# Altium PCB Computer_Board.PcbDoc (part 4 of 5) (continued)
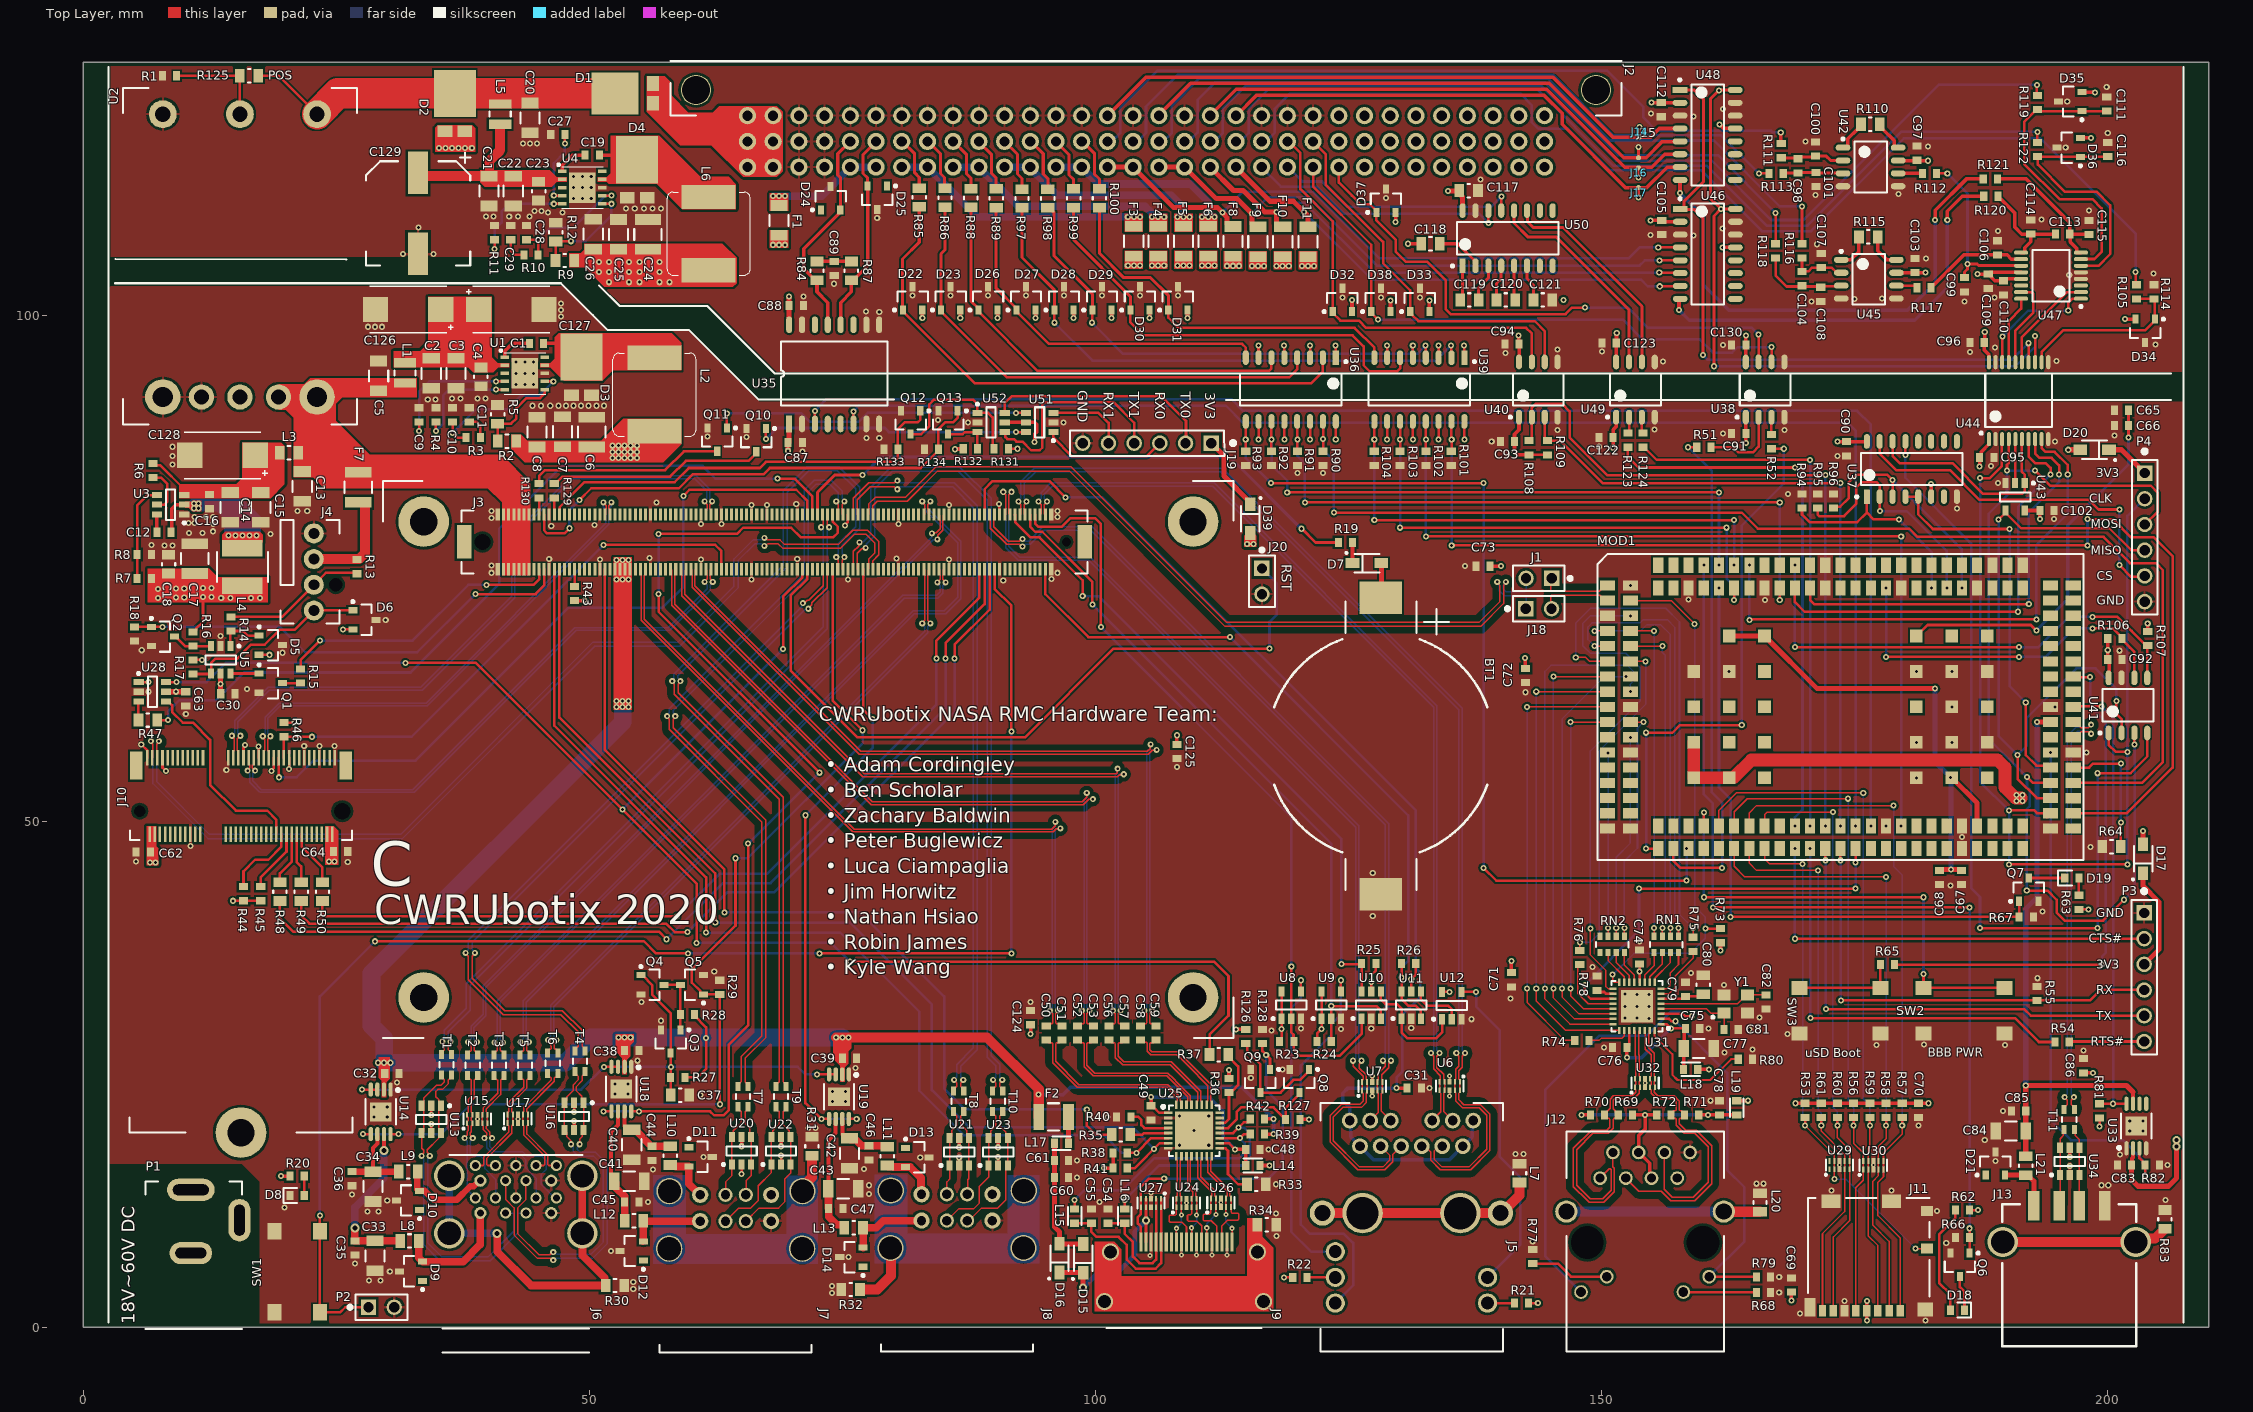
[diagram p0: Top Layer view]
## Nets (pads, with @x,y where several pads share a name; then routed paths per layer and width w, separated by ;. In a path a pad name is that pad's centre, name@x,y a point inside that pad or via, vN(x,y) a via of type N, cw(c..) or ccw(c..) an arc to the next point about the centre after c; other vN are vias at no path point) (continued)
OVER_TEMP: MOD1.134 R107.2 U41.5 | length 48.6
  Top Layer w0.25: v1(169.1,67.2) v1(191.25,67.2) ; v1(198.5,70.2) 200.95,70.2 202.35,68.8 203.575,67.575 203.725,67.575 R107.2@203.95,67.35 203.905,67.305 U41.5@203.905,64.175
  Bottom Layer w0.25: v1(169.1,67.2) v1(169.1,75.3) ; v1(191.25,67.2) 193.15,67.2 196.15,70.2 v1(198.5,70.2)
PCIE_CLK_N: J3.A88 J10.49 | length 49.4
  Top Layer w0.14: J10.49@18.35,56.275 18.35,56.925 18.245,57.03 18.245,58.088 18.5,58.343 v3(18.5,58.4) ; J3.A88@52.05,80.3 51.97,80.38 51.97,80.882 51.94,80.912 51.94,81.188 52.2,81.448 v3(52.2,81.5)
  Bottom Layer w0.14: v3(18.5,58.4) 18.5,58.477 18.265,58.712 18.265,60.165 19.5,61.4 34,61.4 51.92,79.32 51.92,80.869 52.155,81.104 52.155,81.455 v3(52.2,81.5)
PCIE_CLK_P: J3.A89 J10.47 | length 49.3
  Top Layer w0.14: v3(17.75,58.4) 17.75,58.298 17.96,58.088 17.96,57.035 17.85,56.925 J10.47@17.85,56.275 ; v3(51.4,81.5) 51.4,81.448 51.66,81.188 51.66,80.912 51.63,80.882 51.63,80.38 J3.A89@51.55,80.3
  Bottom Layer w0.14: v3(17.75,58.4) 17.75,58.477 17.985,58.712 17.985,60.281 19.384,61.68 33.884,61.68 51.64,79.436 51.64,80.842 51.41,81.072 51.41,81.49 v3(51.4,81.5)
PCIE_CLKREQ0#: J3.A49 J10.53 | length 73
  Top Layer w0.25: v1(19.35,54.35) J10.53@19.35,56.275 ; v1(59.3,82.15) 59.9,82.75 70.45,82.75 71.55,81.65 J3.A49@71.55,80.3
  Bottom Layer w0.25: v1(19.35,54.35) 21.1,54.35 22.75,56 32.85,56 47.95,71.1 57.25,71.1 59.3,73.15 v1(59.3,82.15)
PCIE_RX0_N: J3.B68 J10.41 | length 59.1
  Top Layer w0.14: v3(16.25,55) 16.25,55.08 16.46,55.29 16.46,55.515 16.35,55.625 J10.41@16.35,56.275 ; J3.B68@62.05,74.9 61.97,74.82 61.97,74.318 61.94,74.288 61.94,73.962 62.2,73.702 v3(62.2,73.65)
  Bottom Layer w0.14: v3(16.25,55) 16.25,54.923 16.485,54.688 16.485,53.869 17.422,52.932 17.504,52.85 32.7,52.85 48.7,68.85 57.946,68.85 61.94,72.844 61.94,73.338 62.2,73.598 v3(62.2,73.65)
PCIE_RX0_P: J3.B69 J10.43 | length 58.2
  Top Layer w0.14: J10.43@16.85,56.275 16.85,55.625 16.74,55.515 16.74,55.315 17,55.055 v3(17,55) ; v3(61.4,73.65) 61.4,73.702 61.66,73.962 61.66,74.288 61.63,74.318 61.63,74.82 J3.B69@61.55,74.9
  Bottom Layer w0.14: v3(17,55) 17,54.923 16.765,54.688 16.765,53.985 17.62,53.13 32.584,53.13 48.584,69.13 57.83,69.13 61.66,72.96 61.66,73.338 61.4,73.598 v3(61.4,73.65)
PCIE_TX0_N: J3.A68 J10.35 | length 67.7
  Top Layer w0.14: v3(14.7,58.45) 14.7,58.398 14.96,58.138 14.96,57.035 14.85,56.925 J10.35@14.85,56.275 ; J3.A68@62.05,80.3 62.05,80.75 61.92,80.88 61.92,81.288 62.15,81.518 v3(62.15,81.6)
  Bottom Layer w0.14: v3(14.7,58.45) 14.7,58.477 14.985,58.762 14.985,59.931 18.284,63.23 33.384,63.23 42.37,72.216 42.37,78.216 48.284,84.13 60.566,84.13 61.915,82.781 61.915,81.912 62.15,81.677 v3(62.15,81.6)
PCIE_TX0_P: J3.A69 J10.37 | length 66.8
  Top Layer w0.14: J10.37@15.35,56.275 15.35,56.925 15.24,57.035 15.24,58.155 15.535,58.45 v3(15.55,58.45) ; v3(61.4,81.6) 61.4,81.543 61.68,81.263 61.68,80.88 61.55,80.75 J3.A69@61.55,80.3
  Bottom Layer w0.14: v3(15.55,58.45) 15.55,58.477 15.265,58.762 15.265,59.815 18.4,62.95 33.5,62.95 42.65,72.1 42.65,78.1 48.4,83.85 60.45,83.85 61.635,82.665 61.635,81.912 61.4,81.677 v3(61.4,81.6)
PCIE_WAKE0#: J3.B66 J10.55 R46.2 | length 55.2
  Top Layer w0.25: J10.55@19.85,56.275 R46.2@19.85,58.35 v1(22.6,58.35) ; v1(51.4,77.3) 62.45,77.3 63.05,76.7 J3.B66@63.05,74.9
  Bottom Layer w0.25: v1(22.6,58.35) 32.45,58.35 v1(51.4,77.3)
PORT_POT_GND: J2.A19 J16.2 U48.6 | length 51.2
  Top Layer w0.35: J2.A19@111.35,119.7 111.35,119.75 113.9,122.3 144.601,122.3 152.301,114.6 154.95,114.6 156.244,115.894 U48.6@157.75,115.894
PORT_POT_PWR: F10.2 J2.C19 U46.6 | length 53.6
  Top Layer w0.25: v1@155.534,104.2 157.72,104.2 U46.6@157.775,104.145
  Top Layer w0.5: J2.C19@111.35,114.62 111.35,114.6 113.65,112.3 114.6,112.3 116.7,110.2 v2(117.9,110.2) 117.9,109 118.175,108.725 F10.2@118.5,108.725
  Bottom Layer w0.25: v2(117.9,110.2) 118.8,111.1 120.65,111.1 127.55,104.2 v1(155.7,104.2)
PORT_POT_SIG: C111.1 D35.1 R119.1 U47.7 | length 29
  Top Layer w0.254: U47.7@197.346,105.525 197.363,105.542 198.692,105.542 199.4,106.25 199.4,110.55 198.5,111.45 195.25,111.45 191.75,114.95 191.75,119.1 192.727,120.077 192.95,120.3 R119.1@193.05,120.3 193.2,120.15 D35.1@197.45,120.15 C111.1@199.9,120.15
PORT_POT_SNS: J2.B19 R119.2 | length 97
  Top Layer w0.254: v2(193,122.75) 193,121.75 R119.2@193.05,121.7
  Bottom Layer w0.254: J2.B19@111.78,117.16 112.6,117.98 112.6,120.4 114.85,122.65 144.05,122.65 151.45,115.25 160.9,115.25 166.75,109.4 169.95,109.4 183.3,122.75 v2(193,122.75)
PWRBTN#: J3.B12 P2.1 SW1.1 SW1.2 | length 145.9
  Top Layer w0.25: v1(23.4,11.05) SW1.1@23.4,9.5 SW1.2@23.4,1.5 25.4,1.5 25.9,2 P2.1@28.2,2 ; v1(28.85,38.15) 55.4,38.15 56.6,36.95 v1(59.742,36.95) ; v1(72.75,36.95) v1(91.7,36.95) ; J3.B12@90.05,74.9 90.05,72.95 91.7,71.3 v1(91.7,58.875)
  Bottom Layer w0.25: v1(23.4,11.05) 23.4,32.7 v1(28.85,38.15) ; v1(59.742,36.95) v1(72.75,36.95) ; v1(91.7,36.95) v1(91.7,58.875)
REF_CLK: MOD1.11
REFN: R121.2 U48.8 | length 49.5
  Top Layer w0.35: v2(157.75,112.05) U48.8@157.75,113.354 ; v2(182.95,109.4) 182.95,110.35 186.05,113.45 R121.2@187.7,113.45
  Bottom Layer w0.35: v2(157.75,112.05) 160.05,109.75 160.05,103 162.55,100.5 180.25,100.5 182.95,103.2 v2(182.95,109.4)
REFN_FILT: C113.2 C115.1 R121.1 U47.8 | length 14.5
  Top Layer w0.35: R121.1@189.1,113.45 191.95,113.45 196.246,109.154 C113.2@196.246,108 ; U47.8@197.346,106.175 196.956,106.175 196.933,106.198 196.933,106.588 196.291,107.23 196.291,107.955 C113.2@196.246,108 ; C115.1@198.146,107.95 198.121,107.975 196.271,107.975 C113.2@196.246,108
REFP: R120.2 U46.8 | length 41.2
  Top Layer w0.35: v2(157.65,100.5) 157.65,101.49 157.765,101.605 U46.8@157.775,101.605 ; v2(184.15,109.4) 184.15,110.25 185.646,111.746 R120.2@187.75,111.746
  Bottom Layer w0.35: v2(157.65,100.5) 158.65,99.5 180.95,99.5 184.15,102.7 v2(184.15,109.4)
REFP_FILT: C113.1 C114.1 R120.1 U47.9 | length 10.5
  Top Layer w0.35: R120.1@189.15,111.746 189.15,111.646 189.325,111.471 189.425,111.471 190.8,110.096 190.8,108.7 191.5,108 C114.1@192.396,108 ; U47.9@191.446,106.175 191.775,106.175 191.798,106.198 191.798,106.648 192.396,107.246 C114.1@192.396,108 ; C113.1@194.846,108 C114.1@192.396,108
RS232_RX: J2.C22 U50.13 | length 24.6
  Top Layer w0.254: U50.13@140.089,110.325 140.089,111.689 v1(140.1,111.7)
  Top Layer w0.3: U50.13@140.089,110.325 U50.13@140.095,110.33
  Bottom Layer w0.254: J2.C22@118.97,114.62 119.03,114.62 120.45,113.2 122.4,113.2 124.9,110.7 139.1,110.7 v1(140.1,111.7)
RS232_TX: J2.C21 U50.14 | length 25.9
  Top Layer w0.25: v1@138.829,109.11 U50.14@138.829,110.315
  Top Layer w0.5: U50.14@138.81,110.335 U50.14@138.819,110.325
  Bottom Layer w0.254: J2.C21@116.43,114.62 116.43,114.583 118.313,112.7 121.9,112.7 124.6,110 137.939,110 v1(138.839,109.1)
RX_DV: MOD1.9 R74.1 | length 43.4
  Top Layer w0.15: v1(142.65,33.5) 142.65,32.1 146.4,28.35 R74.1@147.35,28.35 ; v1(142.65,61.3) MOD1.9@150.6,61.3
  Bottom Layer w0.15: v1(142.65,33.5) v1(142.65,61.3)
RXCLK: MOD1.6 R75.1 | length 49.8
  Top Layer w0.15: v1(147.45,66.2) 148.4,66.2 148.8,65.8 MOD1.6@150.6,65.8 ; R75.1@159.05,38.55 v1(159.05,39.45)
  Bottom Layer w0.15: v1(147.45,66.2) 147.45,69.6 148.9,71.05 156.35,71.05 157.7,69.7 157.7,40.8 v1(159.05,39.45)
RXD0: MOD1.21 RN1.4 | length 32.5
  Top Layer w0.15: MOD1.21@152.85,68.8 v1(155.2,68.8) ; RN1.4@155.2,38.65 v1(155.2,39.45)
  Bottom Layer w0.15: v1(155.2,39.45) v1(155.2,68.8)
RXD1: MOD1.22 RN1.3 | length 32
  Top Layer w0.15: MOD1.22@152.85,67.3 v1(156,67.3) ; RN1.3@156,38.65 v1(156,39.45)
  Bottom Layer w0.15: v1(156,39.45) 156,40.05 156.3,40.35 156.3,66.4 156,66.7 v1(156,67.3)
RXD2: MOD1.4 RN1.2 | length 39.2
  Top Layer w0.15: v1(149.3,68.8) MOD1.4@150.6,68.8 ; RN1.2@156.8,38.65 v1(156.8,39.45)
  Bottom Layer w0.15: v1(149.3,68.8) 153.85,68.8 154.45,69.4 155.85,69.4 156.8,68.45 v1(156.8,39.45)
RXD3: MOD1.5 RN1.1 | length 43.3
  Top Layer w0.15: v1(149.3,67.3) MOD1.5@150.6,67.3 ; RN1.1@157.6,38.65 v1(157.6,39.45)
  Bottom Layer w0.15: v1(149.3,67.3) 148.65,67.95 148.65,69.2 149.05,69.6 153.8,69.6 154.1,69.9 156.5,69.9 157.25,69.15 157.25,40.4 157.6,40.05 v1(157.6,39.45)
RXERR: MOD1.27 RN2.1 | length 23.2
  Top Layer w0.15: RN2.1@152.25,38.65 v1(152.25,39.45) ; MOD1.27@152.85,59.8 v1(154.15,59.8)
  Bottom Layer w0.15: v1(152.25,39.45) 152.25,46.05 153.55,47.35 153.55,59.2 v1(154.15,59.8)
SER0_RX: J3.A99 R129.1 | length 1.7
  Top Layer w0.25: J3.A99@46.55,80.3 R129.1@46.55,81.95
SER0_RX_EXT: J19.3 U51.1 | length 12.4
  Top Layer w0.25: U51.1@95.85,88.45 95.85,87.9 97.7,86.05 105.07,86.05 J19.3@106.37,87.35
SER0_TX: J3.A98 Q12.1 R133.1 | length 42.5
  Top Layer w0.25: J3.A98@47.05,80.3 47.075,80.325 47.075,81.025 49.55,83.5 58.45,83.5 59.85,84.9 66.85,84.9 67.45,85.5 80.05,85.5 80.5,85.95 R133.1@80.5,86.75 80.5,88.75 81.15,89.4 82.45,89.4 82.7,89.65 Q12.1@82.7,90.55
SER0_TX_EXT: J19.2 U52.6 | length 22.8
  Top Layer w0.25: U52.6@91.425,90.525 91.25,90.35 U52.6@91.05,90.35 91.05,91.3 91.75,92 106.5,92 108.95,89.55 108.95,87.39 J19.2@108.91,87.35
SER1_RX: J3.A102 R130.1 | length 1.6
  Top Layer w0.25: J3.A102@45.05,80.3 R130.1@45.05,81.95
SER1_RX_EXT: J19.5 U51.3 | length 7.9
  Top Layer w0.25: U51.3@95.85,90.35 100.3,90.35 101.3,89.35 101.3,87.36 J19.5@101.29,87.35
SER1_TX: J3.A101 Q13.1 R134.1 | length 50.2
  Top Layer w0.25: J3.A101@45.55,80.3 45.55,78.75 45.85,78.45 47.55,78.45 v1(48.05,78.95) ; v1(49.05,81.75) 50.2,82.9 58.85,82.9 60.25,84.3 67.25,84.3 67.85,84.9 82.75,84.9 84.5,86.65 R134.1@84.5,86.75 84.5,88.75 85.15,89.4 85.95,89.4 86.4,89.85 Q13.1@86.4,90.55
  Bottom Layer w0.25: v1(48.05,78.95) 48.05,80.75 v1(49.05,81.75)
SER1_TX_EXT: J19.4 U52.4 | length 21.1
  Top Layer w0.25: U52.4@91.05,88.45 91.1,88.4 91.1,88.275 91.1,87.95 91.3,87.75 91.95,87.75 92.2,87.5 92.8,87.5 93.65,86.65 94.5,86.65 94.75,86.9 94.75,91.1 95.05,91.4 101.8,91.4 103.83,89.37 J19.4@103.83,87.35
SHIELD: J5.18 L7.1 | length 21.2
  Top Layer w1: J5.18@122.43,11.3 J5.18@126.39,11.3 J5.18@136.05,11.3 J5.18@140.01,11.3 140.15,11.3 141.884,13.034 141.884,14.084 L7.1@141.9,14.1
SMB_ALERT#: J3.B15 R50.1 | length 85.8
  Top Layer w0.25: R50.1@23.65,42.125 23.65,40.95 24,40.6 v1(58.65,40.6) ; v1(84.3,66.1) 84.3,67.85 88.55,72.1 J3.B15@88.55,74.9
  Bottom Layer w0.25: v1(58.65,40.6) 62.85,44.8 67.55,44.8 84.3,61.55 v1(84.3,66.1)
SMB_CLK: J3.B13 R49.1 | length 91.2
  Top Layer w0.25: R49.1@21.55,42.125 21.55,40.7 22.35,39.9 57.6,39.9 58.45,39.05 v1(59.7,39.05) ; v1(86.1,66.1) 86.1,67.45 89.55,70.9 J3.B13@89.55,74.9
  Bottom Layer w0.25: v1(59.7,39.05) 63.65,43 68.296,43 86.1,60.804 v1(86.1,66.1)
SMB_DATA: J3.B14 R48.1 | length 93.1
  Top Layer w0.25: R48.1@19.45,42.125 19.45,40.4 20.75,39.1 56.9,39.1 v1(57.65,38.35) ; v1(85.2,66.1) 85.2,67.6 89.05,71.45 J3.B14@89.05,74.9
  Bottom Layer w0.25: v1(57.65,38.35) 63.2,43.9 67.923,43.9 85.2,61.177 v1(85.2,66.1)
SPI_CLK: MOD1.103 P4.2 U41.1 U44.3 | length 101.2
  Top Layer w0.25: v1(187.4,83.9) 188.35,83.9 189.55,85.1 189.55,87.725 U44.3@189.575,87.75 ; v1(190.25,45.75) v1(201.95,45.75) ; v1(190.25,51.05) 190.3,51.1 192.7,51.1 193,50.8 MOD1.103@194.35,50.8 MOD1.103@193.975,50.425 ; U41.1@200.095,58.725 200.095,57.555 200.8,56.85 v1(201.95,56.85)
  Bottom Layer w0.25: v1(187.4,83.9) 187.4,53.9 v1(190.25,51.05) v1(190.25,45.75) ; v1(201.95,45.75) v1(201.95,56.85) 201.95,80.16 P4.2@203.65,81.86
SPI_CLK_5V: U44.18 U47.1 | length 12.3
  Top Layer w0.25: U44.18@189.587,95.362 v1@189.587,97.888 ; v2(196.1,100.45) 196.1,101.2 196.525,101.625 U47.1@196.846,101.625
  Top Layer w0.3: U44.18@189.575,95.35 U44.18@189.587,95.362 ; v1@189.587,97.888 v1(189.6,97.9) ; U47.1@196.846,101.625 U47.1@197.346,101.625
  Bottom Layer w0.25: v1(189.6,97.9) 192.15,100.45 v2(196.1,100.45)
SPI_CS0: MOD1.106 U37.4 U37.5 | length 38.6
  Top Layer w0.25: U37.4@180.015,82.075 U37.5@181.285,82.075 181.285,80.315 182.725,78.875 v1(190.3,78.875) ; v1(191.9,61.75) 191.9,56.55 192.95,55.5 194.15,55.5 MOD1.106@194.35,55.3
  Bottom Layer w0.25: v1(190.3,78.875) 190.3,63.35 v1(191.9,61.75)
SPI_CS_EXT: P4.5 U37.15 | length 35.7
  Top Layer w0.25: U37.15@177.475,87.525 177.475,86.325 179.1,84.7 184.4,84.7 187.35,81.75 198.15,81.75 199.1,80.8 v1(201.15,80.8) ; v1(201.15,75.3) 202.3,74.15 203.56,74.15 P4.5@203.65,74.24
  Bottom Layer w0.25: v1(201.15,75.3) v1(201.15,80.8)
SPI_MISO: MOD1.104 P4.4 U41.2 U43.4 | length 67.1
  Top Layer w0.25: v1(189.217,79.817) 189.825,80.425 189.975,80.425 191.45,78.95 200.15,78.95 202.32,76.78 P4.4@203.65,76.78 ; U43.4@189.9,80.5 U43.4@189.9,80.7 ; v1(191.1,56.55) 191.1,54.2 193,52.3 MOD1.104@194.35,52.3 ; v1(200.85,61.9) 200.85,60.6 201.365,60.085 U41.2@201.365,58.725
  Bottom Layer w0.25: v1(189.217,79.817) 189.217,58.433 v1(191.1,56.55) 192,57.45 192,60.2 196.9,65.1 198.8,65.1 200.85,63.05 v1(200.85,61.9)
SPI_MISO_5V: U44.16 U47.15 | length 8.7
  Top Layer w0.254: U44.16@190.875,95.35 190.875,98.475 192.625,100.225 192.625,102.125 192.475,102.275 U47.15@191.446,102.275
SPI_MOSI: MOD1.105 P4.3 U41.3 U44.4 | length 98.6
  Top Layer w0.25: v1(190.05,84.65) 190.05,85.2 190.225,85.375 U44.4@190.225,87.75 ; v1(192,43.15) 194.05,43.15 194.95,42.25 194.95,41 195.75,40.2 199.55,40.2 v1(201.6,42.25) ; v1(192.025,54.375) 192.6,53.8 MOD1.105@194.35,53.8 ; v1(192.8,84.65) 194.3,83.15 204.25,83.15 204.95,82.45 204.95,80.62 P4.3@203.65,79.32 ; U41.3@202.635,58.725 202.635,57.615 v1(202.65,57.6)
  Bottom Layer w0.25: v1(192,43.15) 192,51.2 192.3,51.5 192.3,53.128 192.025,53.403 v1(192.025,54.375) 188.25,58.15 188.25,80.4 190.05,82.2 v1(190.05,84.65) v1(192.8,84.65) ; v1(201.6,42.25) 202.65,43.3 v1(202.65,57.6)
SPI_MOSI_5V: U44.17 U47.16 | length 6.8
  Top Layer w0.254: U44.17@190.225,95.35 190.225,99.425 191.446,100.646 U47.16@191.446,101.625
STBD_POT_GND: J2.A20 J17.2 U48.7 | length 49.9
  Top Layer w0.35: J2.A20@113.89,119.7 113.9,119.7 115.9,121.7 144.353,121.7 146.1,119.953 146.1,118.851 152.351,112.6 153.65,112.6 154.45,112.6 156.474,114.624 U48.7@157.75,114.624
STBD_POT_PWR: F11.2 J2.C20 U46.7 | length 50.4
  Top Layer w0.25: v2@155.763,102.862 U46.7@157.762,102.862
  Top Layer w0.5: J2.C20@113.89,114.62 113.89,114.61 117.25,111.25 119.55,111.25 v2(120.6,110.2) 121,109.8 F11.2@121,108.725 ; v2(155.75,102.85) v2@155.763,102.862 ; U46.7@157.762,102.862 U46.7@157.775,102.875
  Bottom Layer w0.25: v2(120.6,110.2) 127.3,103.5 153.9,103.5 154.55,102.85 v2(155.75,102.85)
STBD_POT_SIG: C116.1 D36.1 R122.1 U47.6 | length 24.8
  Top Layer w0.254: R122.1@193.05,115.65 R122.1@193.092,115.65 ; U47.6@197.346,104.875 199.075,104.875 200.25,106.05 200.25,110.85 198.9,112.2 195.75,112.2 193.092,114.858 R122.1@193.092,115.65 ; C116.1@200,115.625 197.325,115.625 D36.1@197.3,115.6 197.275,115.625 193.175,115.625 193.15,115.65 R122.1@193.092,115.65
STBD_POT_SNS: J2.B20 R122.2 | length 92.7
  Top Layer w0.254: R122.2@193.05,117.05 v2(193.05,118.1)
  Bottom Layer w0.25: J2.B20@114.32,117.16 115.15,117.99 115.15,120.35 117.075,122.275 ; 117.075,122.273 143.677,122.273 151.2,114.75 160.4,114.75 166.3,108.85 170.35,108.85 179.6,118.1 v2(193.05,118.1)
SYS_RESET: J3.B49 J20.1 | length 73.2
  Top Layer w0.25: J3.B49@71.55,74.9 71.55,73.95 69.9,72.3 69.9,64.9 76.5,58.3 93.05,58.3 101.8,67.05 v1(117.2,67.05)
  Bottom Layer w0.25: J20.1@116.45,74.98 117.9,73.53 117.9,70.4 117.2,69.7 v1(117.2,67.05)
TEMP_SENSOR_C\S\: U37.13 U41.4 | length 86
  Top Layer w0.25: v1(180.015,86.165) U37.13@180.015,87.525 ; v1(187.383,39.45) v1(199,39.45) ; v1(199,54.75) 202.25,54.75 203.905,56.405 U41.4@203.905,58.725
  Bottom Layer w0.25: v1(180.015,86.165) 180.015,83.935 186.5,77.45 186.5,43.4 187.383,42.517 v1(187.383,39.45) ; v1(199,39.45) v1(199,54.75)
TMDSX_CLK_N: C51.1 J3.B82 | length 75.9
  Top Layer w0.14: J3.B82@55.05,74.9 55.13,74.82 55.13,74.318 55.16,74.288 55.16,69.844 76.054,48.95 95.823,48.95 96.141,49.268 96.518,49.268 v3(96.55,49.3) ; v3(96.3,31.3) 96.3,31.223 96.065,30.988 96.065,30.105 96.147,30.023 96.477,30.023 C51.1@96.7,29.8
  Bottom Layer w0.14: v3(96.3,31.3) 96.3,31.352 96.04,31.612 96.04,40.413 96.03,40.423 96.03,49.157 96.141,49.268 96.518,49.268 v3(96.55,49.3)
TMDSX_CLK_P: C50.1 J3.B81 | length 75.7
  Top Layer w0.14: J3.B81@55.55,74.9 55.47,74.82 55.47,74.318 55.44,74.288 55.44,69.96 76.17,49.23 95.707,49.23 96.018,49.541 96.018,49.918 v3(96.05,49.95) ; C50.1@95.15,29.8 95.373,30.023 95.703,30.023 95.785,30.105 95.785,30.982 95.5,31.267 v3(95.5,31.3)
  Bottom Layer w0.14: v3(95.5,31.3) 95.5,31.352 95.76,31.612 95.76,40.298 95.75,40.308 95.75,49.273 96.018,49.541 96.018,49.918 v3(96.05,49.95)
TMDSX_DATA0_N: C53.1 J3.B76 | length 77.1
  Top Layer w0.14: J3.B76@58.05,74.9 58.13,74.82 58.13,74.318 58.16,74.288 58.16,71.344 77.854,51.65 98.798,51.65 99.328,52.18 99.73,52.18 v3(99.75,52.2) ; v3(99.4,31.3) 99.4,31.223 99.165,30.988 99.165,30.464 99.165,30.105 99.247,30.023 99.577,30.023 C53.1@99.8,29.8
  Bottom Layer w0.14: v3(99.4,31.3) 99.4,31.377 99.165,31.612 99.165,52.017 99.328,52.18 99.73,52.18 v3(99.75,52.2)
TMDSX_DATA0_P: C52.1 J3.B75 | length 76.6
  Top Layer w0.14: J3.B75@58.55,74.9 58.47,74.82 58.47,74.318 58.44,74.288 58.44,71.46 77.97,51.93 98.682,51.93 99.13,52.378 99.13,52.78 v3(99.15,52.8) ; C52.1@98.25,29.8 98.473,30.023 98.803,30.023 98.885,30.105 98.885,30.58 98.885,30.988 98.65,31.223 v3(98.65,31.3)
  Bottom Layer w0.14: v3(98.65,31.3) 98.65,31.377 98.885,31.612 98.885,52.133 99.13,52.378 99.13,52.78 v3(99.15,52.8)
TMDSX_DATA1_N: C57.1 J3.B74 | length 79.8
  Top Layer w0.14: J3.B74@59.05,74.9 59.13,74.82 59.13,74.318 59.16,74.288 59.16,72.294 77.044,54.41 102.183,54.41 102.391,54.618 102.768,54.618 v3(102.8,54.65) ; v3(102.5,31.3) 102.5,31.223 102.265,30.988 102.265,30.105 102.347,30.023 102.677,30.023 C57.1@102.9,29.8
  Bottom Layer w0.14: v3(102.5,31.3) 102.5,31.377 102.265,31.612 102.265,54.52 102.377,54.632 102.782,54.632 v3(102.8,54.65)
TMDSX_DATA1_P: C56.1 J3.B73 | length 79.2
  Top Layer w0.14: J3.B73@59.55,74.9 59.47,74.82 59.47,74.318 59.44,74.288 59.44,72.41 77.16,54.69 102.067,54.69 102.168,54.791 102.168,55.168 v3(102.2,55.2) ; C56.1@101.35,29.8 101.573,30.023 101.903,30.023 101.985,30.105 101.985,30.988 101.75,31.223 v3(101.75,31.3)
  Bottom Layer w0.14: v3(101.75,31.3) 101.75,31.377 101.985,31.612 101.985,54.58 102.182,54.777 102.182,55.182 v3(102.2,55.2)
TMDSX_DATA2_N: C59.1 J3.B72 | length 83.1
  Top Layer w0.14: J3.B72@60.05,74.9 60.13,74.82 60.13,74.318 60.16,74.288 60.16,73.144 61.052,72.252 76.684,56.62 105.243,56.62 105.641,57.018 106.018,57.018 v3(106.05,57.05) ; v3(105.6,31.3) 105.6,31.223 105.365,30.988 105.365,30.464 105.365,30.105 105.447,30.023 105.777,30.023 C59.1@106,29.8
  Bottom Layer w0.14: v3(105.6,31.3) 105.6,31.377 105.365,31.612 105.365,56.77 105.627,57.032 106.032,57.032 v3(106.05,57.05)
TMDSX_DATA2_P: C58.1 J3.B71 | length 82.6
  Top Layer w0.14: J3.B71@60.55,74.9 60.47,74.82 60.47,74.318 60.44,74.288 60.44,73.26 61.448,72.252 76.8,56.9 105.127,56.9 105.418,57.191 105.418,57.568 v3(105.45,57.6) ; C58.1@104.45,29.8 104.673,30.023 105.003,30.023 105.085,30.105 105.085,30.58 105.085,30.988 104.85,31.223 v3(104.85,31.3)
  Bottom Layer w0.14: v3(104.85,31.3) 104.85,31.377 105.085,31.612 105.085,56.858 105.242,57.015 105.27,57.015 105.432,57.177 105.432,57.582 v3(105.45,57.6)
TXCLK: MOD1.23 R76.1 | length 33.4
  Top Layer w0.15: R76.1@147.85,37.25 v1(147.85,38.05) ; MOD1.23@152.85,65.8 v1(154.35,65.8)
  Bottom Layer w0.15: v1(147.85,38.05) 148.9,38.05 149.75,38.9 149.75,56.95 154.35,61.55 v1(154.35,65.8)
TXD0: MOD1.24 U31.22 | length 41.2
  Top Layer w0.15: v1(146.1,33.5) 146.1,32.643 147.768,30.975 U31.22@151.125,30.975
  Bottom Layer w0.15: v1(146.1,33.5) 146.1,60.1 150.3,64.3 v1(152.4,64.3)
TXD1: MOD1.7 U31.23 | length 43.8
  Top Layer w0.15: v1(145.25,33.502) 145.25,32.55 147.325,30.475 U31.23@151.125,30.475 ; v1(145.25,64.3) MOD1.7@150.6,64.3
  Bottom Layer w0.15: v1(145.25,33.502) v1(145.25,64.3)
TXD2: MOD1.25 U31.24 | length 51.5
  Top Layer w0.15: v1(144.4,33.5) 144.4,32.45 146.875,29.975 U31.24@151.125,29.975
  Bottom Layer w0.15: v1(144.4,33.5) 144.4,64.8 145,65.4 152.55,65.4 153.15,64.8 153.15,63.85 152.85,63.55 v1(152.85,62.8)
TXD3: MOD1.8 U31.25 | length 47
  Top Layer w0.15: v1(143.55,33.5) 143.55,32.25 146.45,29.35 U31.25@151.75,29.35 ; v1(143.55,62.8) MOD1.8@150.6,62.8
  Bottom Layer w0.15: v1(143.55,33.5) v1(143.55,62.8)
TXEN: MOD1.10 U31.21 | length 35.4
  Top Layer w0.15: v1(146.95,33.5) 146.95,32.75 148.225,31.475 U31.21@151.125,31.475 ; v1(146.95,59.8) MOD1.10@150.6,59.8
  Bottom Layer w0.15: v1(146.95,33.5) v1(146.95,59.8)
UART2_RX: MOD1.69 R123.1 | length 53.9
  Top Layer w0.25: R123.1@152.6,86.95 152.6,86 153.65,84.95 168.05,84.95 v1(169.1,84.95)
  Bottom Layer w0.25: v1(169.1,49.55) 169.1,50.4 169.85,51.15 169.85,84.2 v1(169.1,84.95)
UART2_TX: MOD1.70 R124.1 | length 53.2
  Top Layer w0.25: R124.1@154.1,86.95 154.2,86.95 155.45,85.7 v1(170.6,85.7)
  Bottom Layer w0.25: v1(170.6,49.55) v1(170.6,85.7)
UART4_RX: MOD1.36 R51.1 | length 50.1
  Top Layer w0.25: MOD1.36@157.1,47.3 157.1,46.1 157.8,45.4 v1(161.9,45.4) ; v1(158.55,86.95) R51.1@159.4,86.95
  Bottom Layer w0.25: v1(158.55,86.95) 160.9,84.6 160.9,52.85 161.9,51.85 v1(161.9,45.4)
UART4_RX_EXT: D37.1 J2.C24 U38.7 | length 55.4
  Top Layer w0.25: J2.C24@124.05,114.62 124.055,114.615 124.055,113.095 125.35,111.8 126.2,110.95 127.1,110.95 127.75,110.3 127.75,109.35 129.65,107.45 129.65,106.3 130.7,105.25 132.8,105.25 134.6,103.45 134.6,100.6 135.1,100.1 146.45,100.1 147.1,100.75 v1(148.35,100.75) ; v1(165.5,98.1) 165.507,98.092 165.507,95.382 U38.7@165.515,95.375
  Bottom Layer w0.25: v1(148.35,100.75) 152.6,100.75 154.6,98.75 164.85,98.75 v1(165.5,98.1)
UART4_TX: MOD1.35 R52.1 | length 52.6
  Top Layer w0.25: v1(154.4,47.3) MOD1.35@155.6,47.3 ; v1(154.4,58.75) 157,58.75 157.75,59.5 v1(163.85,59.5) ; R52.1@166.8,86.8 v1(168,86.8)
  Bottom Layer w0.25: v1(154.4,47.3) v1(154.4,58.75) ; v1(163.85,59.5) 163.85,79.2 168,83.35 v1(168,86.8)
UART4_TX_EXT: D38.1 J2.C23 U38.6 | length 59.7
  Top Layer w0.25: J2.C23@121.51,114.62 121.51,112.69 127.25,106.95 D38.1@127.25,100.35 127.25,100.2 v1(127.9,99.55) ; U38.6@166.785,95.375 166.792,95.382 166.792,96.842 v1(166.8,96.85)
  Bottom Layer w0.25: v1(127.9,99.55) 152.1,99.55 154.05,97.6 159.7,97.6 161,96.3 162.9,96.3 163.45,96.85 v1(166.8,96.85)
USB0_5V: D9.2 J6.1 L8.2 | length 11.7
  Top Layer w0.75: L8.2@33.175,8.55 33.175,6.875 D9.2@33.55,6.5 37.55,6.5 39.25,8.2 J6.1@39.25,11.3
USB0_C_N: J6.2 T1.2 U13.1 U13.6 | length 31.4
  Top Layer w0.15: v3(34.25,16.95) 34.25,17.063 34.006,17.307 34.006,17.556 35.125,18.675 35.125,18.975 U13.6@35.35,19.2 35.125,19.425 U13.1@35.125,22.109 ; U13.1@35.35,21.9 35.141,22.109 35.141,22.325 35.141,22.509 34.85,22.8 34.85,23.3 35.062,23.512 35.502,23.512 36.1,24.109 36.1,24.487 36.188,24.575 36.225,24.575 36.4,24.75 T1.2@36.4,24.95
  Bottom Layer w0.15: v3(34.25,16.95) 34.25,16.837 34.05,16.637 34.05,8.35 35.4,7 40.05,7 42.55,9.5 42.55,11.212 42.462,11.3 J6.2@41.75,11.3
USB0_C_P: J6.3 T1.3 U13.3 U13.4 | length 32.2
  Top Layer w0.15: v3(33.45,16.95) 33.45,17.063 33.65,17.263 33.65,17.506 33.45,17.706 U13.4@33.45,19.2 33.675,19.425 33.675,21.9 33.675,22.691 34.896,23.912 35.337,23.912 35.7,24.275 35.7,24.487 35.612,24.575 35.575,24.575 35.4,24.75 T1.3@35.4,24.95
  Bottom Layer w0.15: v3(33.45,16.95) 33.45,16.837 33.65,16.637 33.65,8.184 35.234,6.6 40.216,6.6 42.95,9.334 42.95,11.212 43.038,11.3 J6.3@43.75,11.3
USB0_C_RX_N: J6.5 T2.3 U15.1 U15.10 | length 13.2
  Top Layer w0.15: v3(37.7,18.7) 37.7,18.758 37.955,19.013 37.955,19.359 38.055,19.459 38.055,19.88 37.95,19.985 U15.1@37.95,20.168 37.95,20.351 38.055,20.456 38.055,20.716 37.95,20.822 U15.10@37.95,21.004 37.95,21.187 38.055,21.292 38.055,22.515 38.345,22.805 38.345,24.437 38.257,24.525 38.165,24.525 37.99,24.7 T2.3@37.99,24.9
  Bottom Layer w0.15: v3(37.7,18.7) 37.7,18.642 37.955,18.387 37.955,16.372 37.925,16.342 37.925,15.755 37.955,15.725 37.955,13.595 J6.5@38.75,12.8
USB0_C_RX_P: J6.6 T2.2 U15.2 U15.9 | length 14.3
  Top Layer w0.15: v3(38.5,18.7) 38.5,18.758 38.245,19.013 38.245,19.239 38.345,19.339 38.345,19.881 38.45,19.985 U15.2@38.45,20.168 38.45,20.351 38.345,20.456 38.345,20.717 38.45,20.822 U15.9@38.45,21.004 38.45,21.187 38.345,21.292 38.345,22.395 38.635,22.685 38.635,24.437 38.723,24.525 38.815,24.525 38.99,24.7 T2.2@38.99,24.9
  Bottom Layer w0.15: v3(38.5,18.7) 38.5,18.642 38.245,18.387 38.245,17.205 38.55,16.9 39.3,16.9 39.7,16.5 39.7,15.7 40.75,14.65 J6.6@40.75,12.8
USB0_C_TX_N: J6.8 T3.3 U15.4 U15.7 | length 16.9
  Top Layer w0.15: v3(39.65,18.7) 39.65,18.783 39.88,19.013 39.88,19.198 39.555,19.523 39.555,19.88 39.45,19.985 U15.4@39.45,20.168 U15.7@39.45,21.004 39.45,21.187 39.555,21.292 39.555,21.723 40.96,23.128 40.96,23.76 40.96,24.412 40.847,24.525 40.755,24.525 40.58,24.7 T3.3@40.58,24.9
  Bottom Layer w0.15: v3(39.65,18.7) 39.65,18.617 39.88,18.387 39.88,17.76 40.59,17.05 43.25,17.05 43.75,16.55 43.75,15.75 44.75,14.75 J6.8@44.75,12.8